# KiCad board MinicalcControlPanel.kicad_pcb
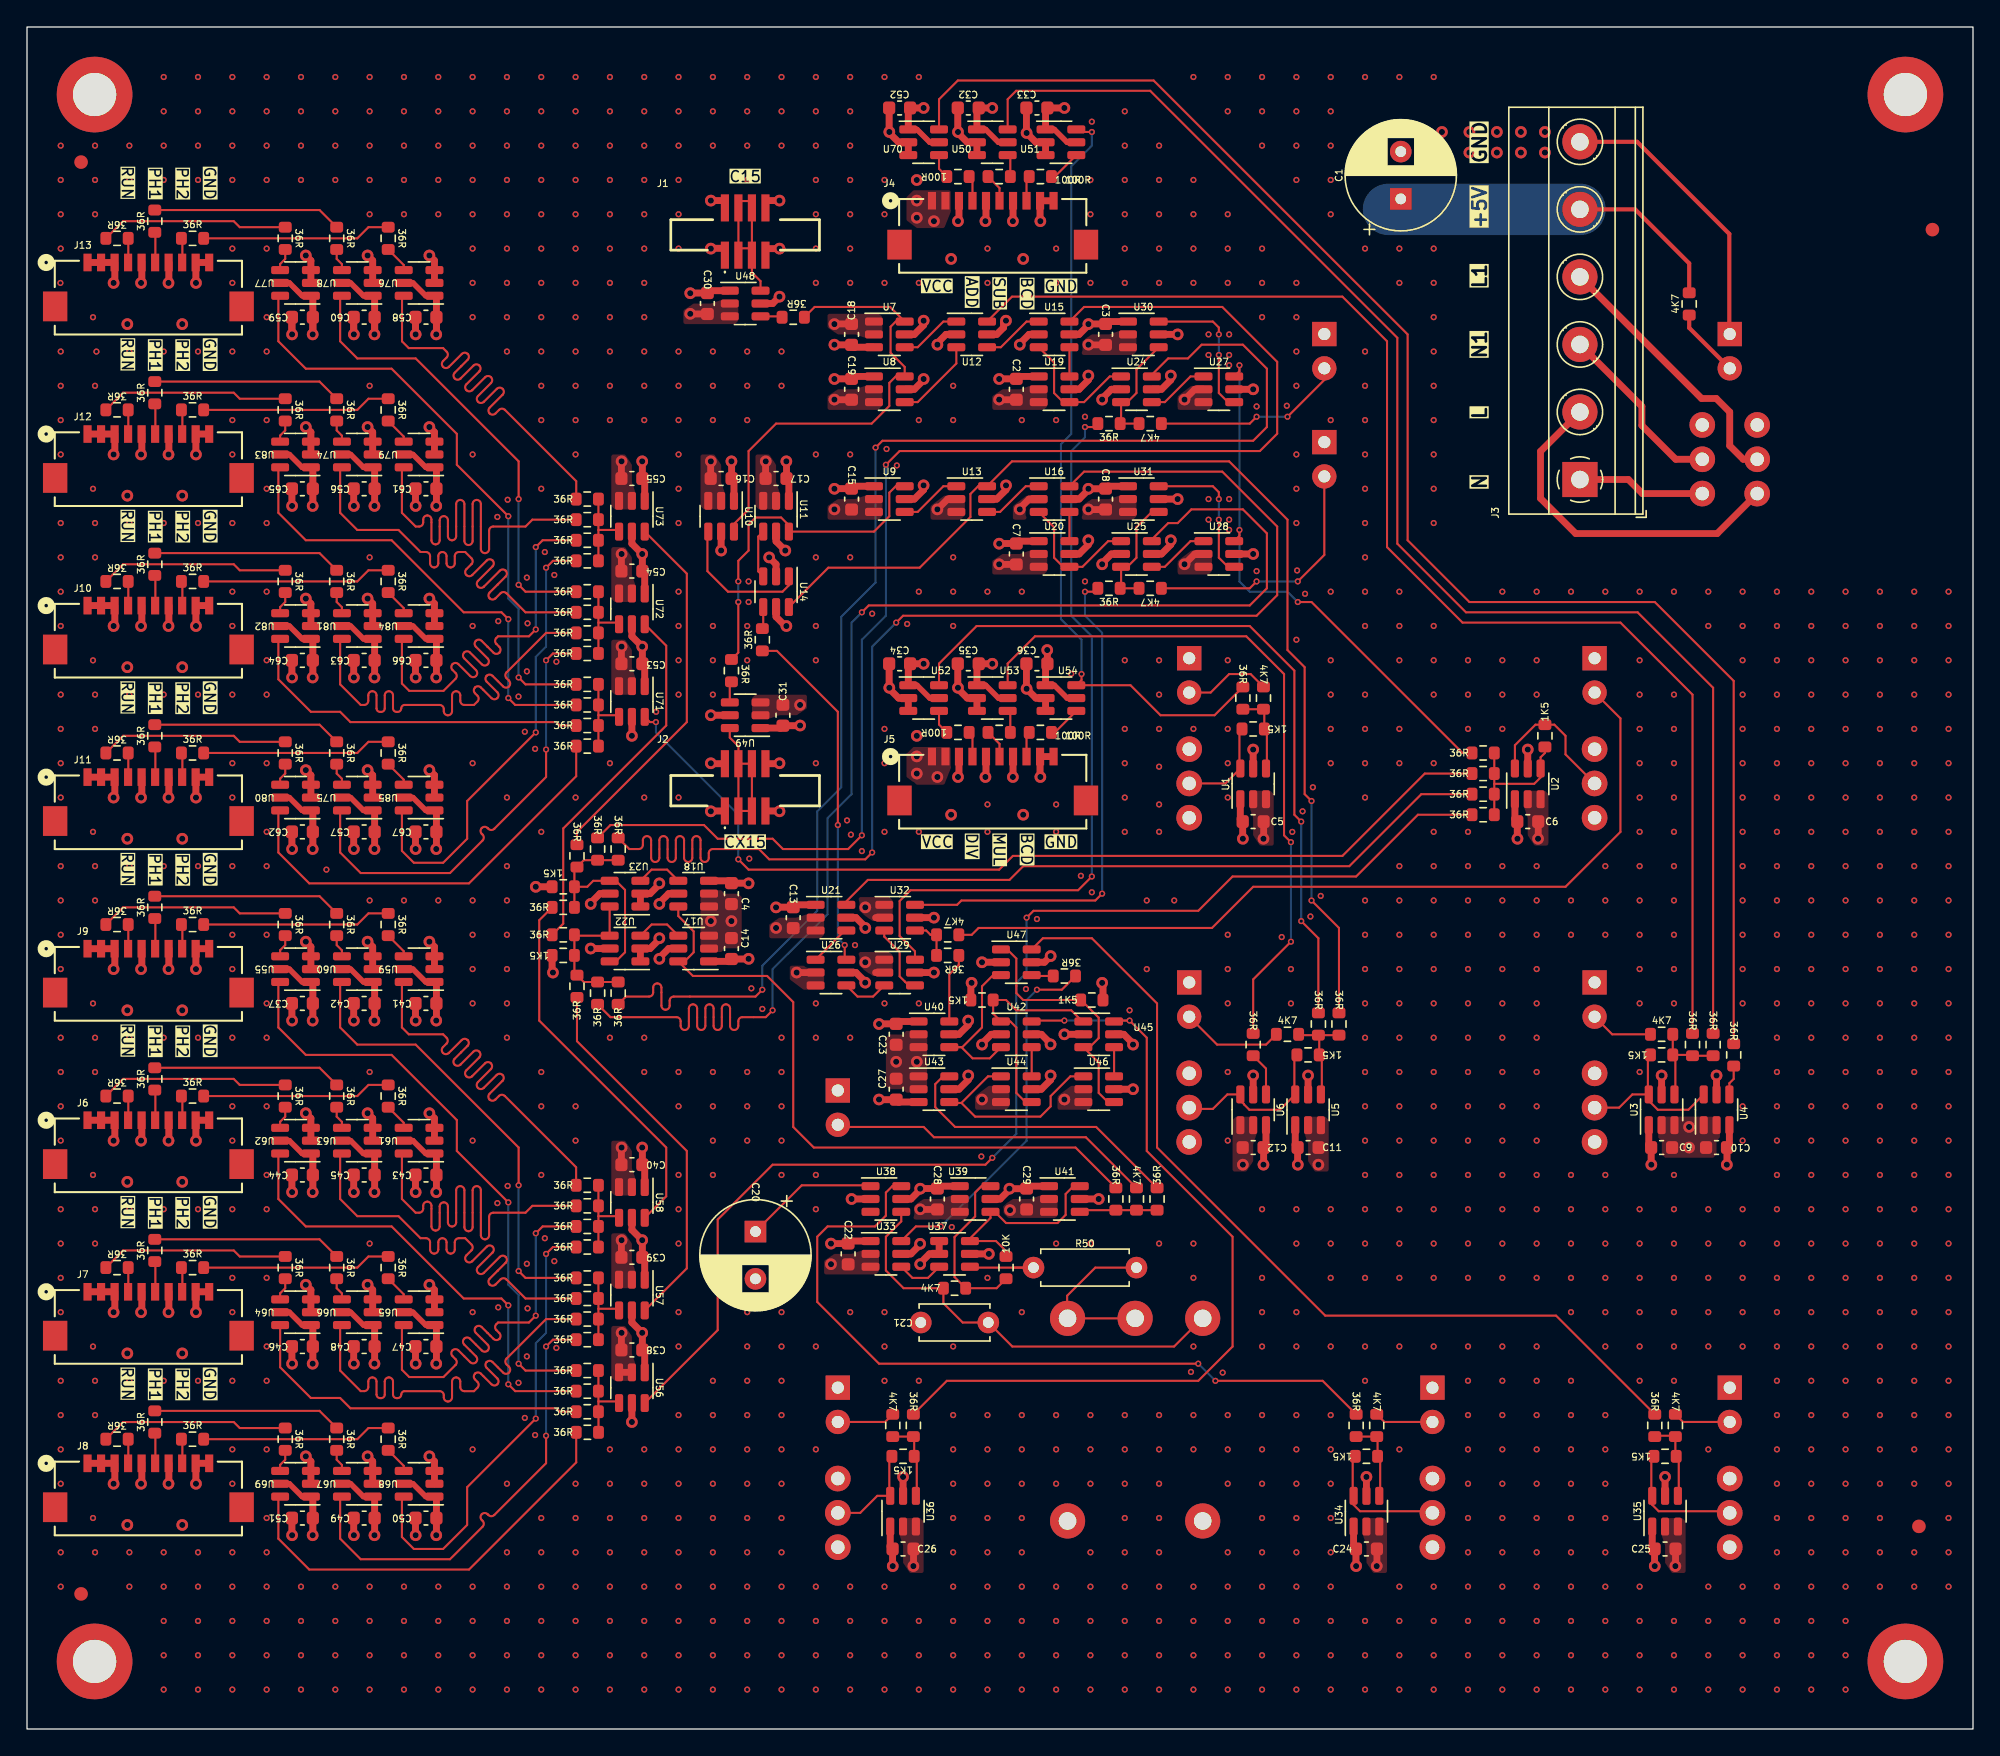
[diagram p0: board, top side]
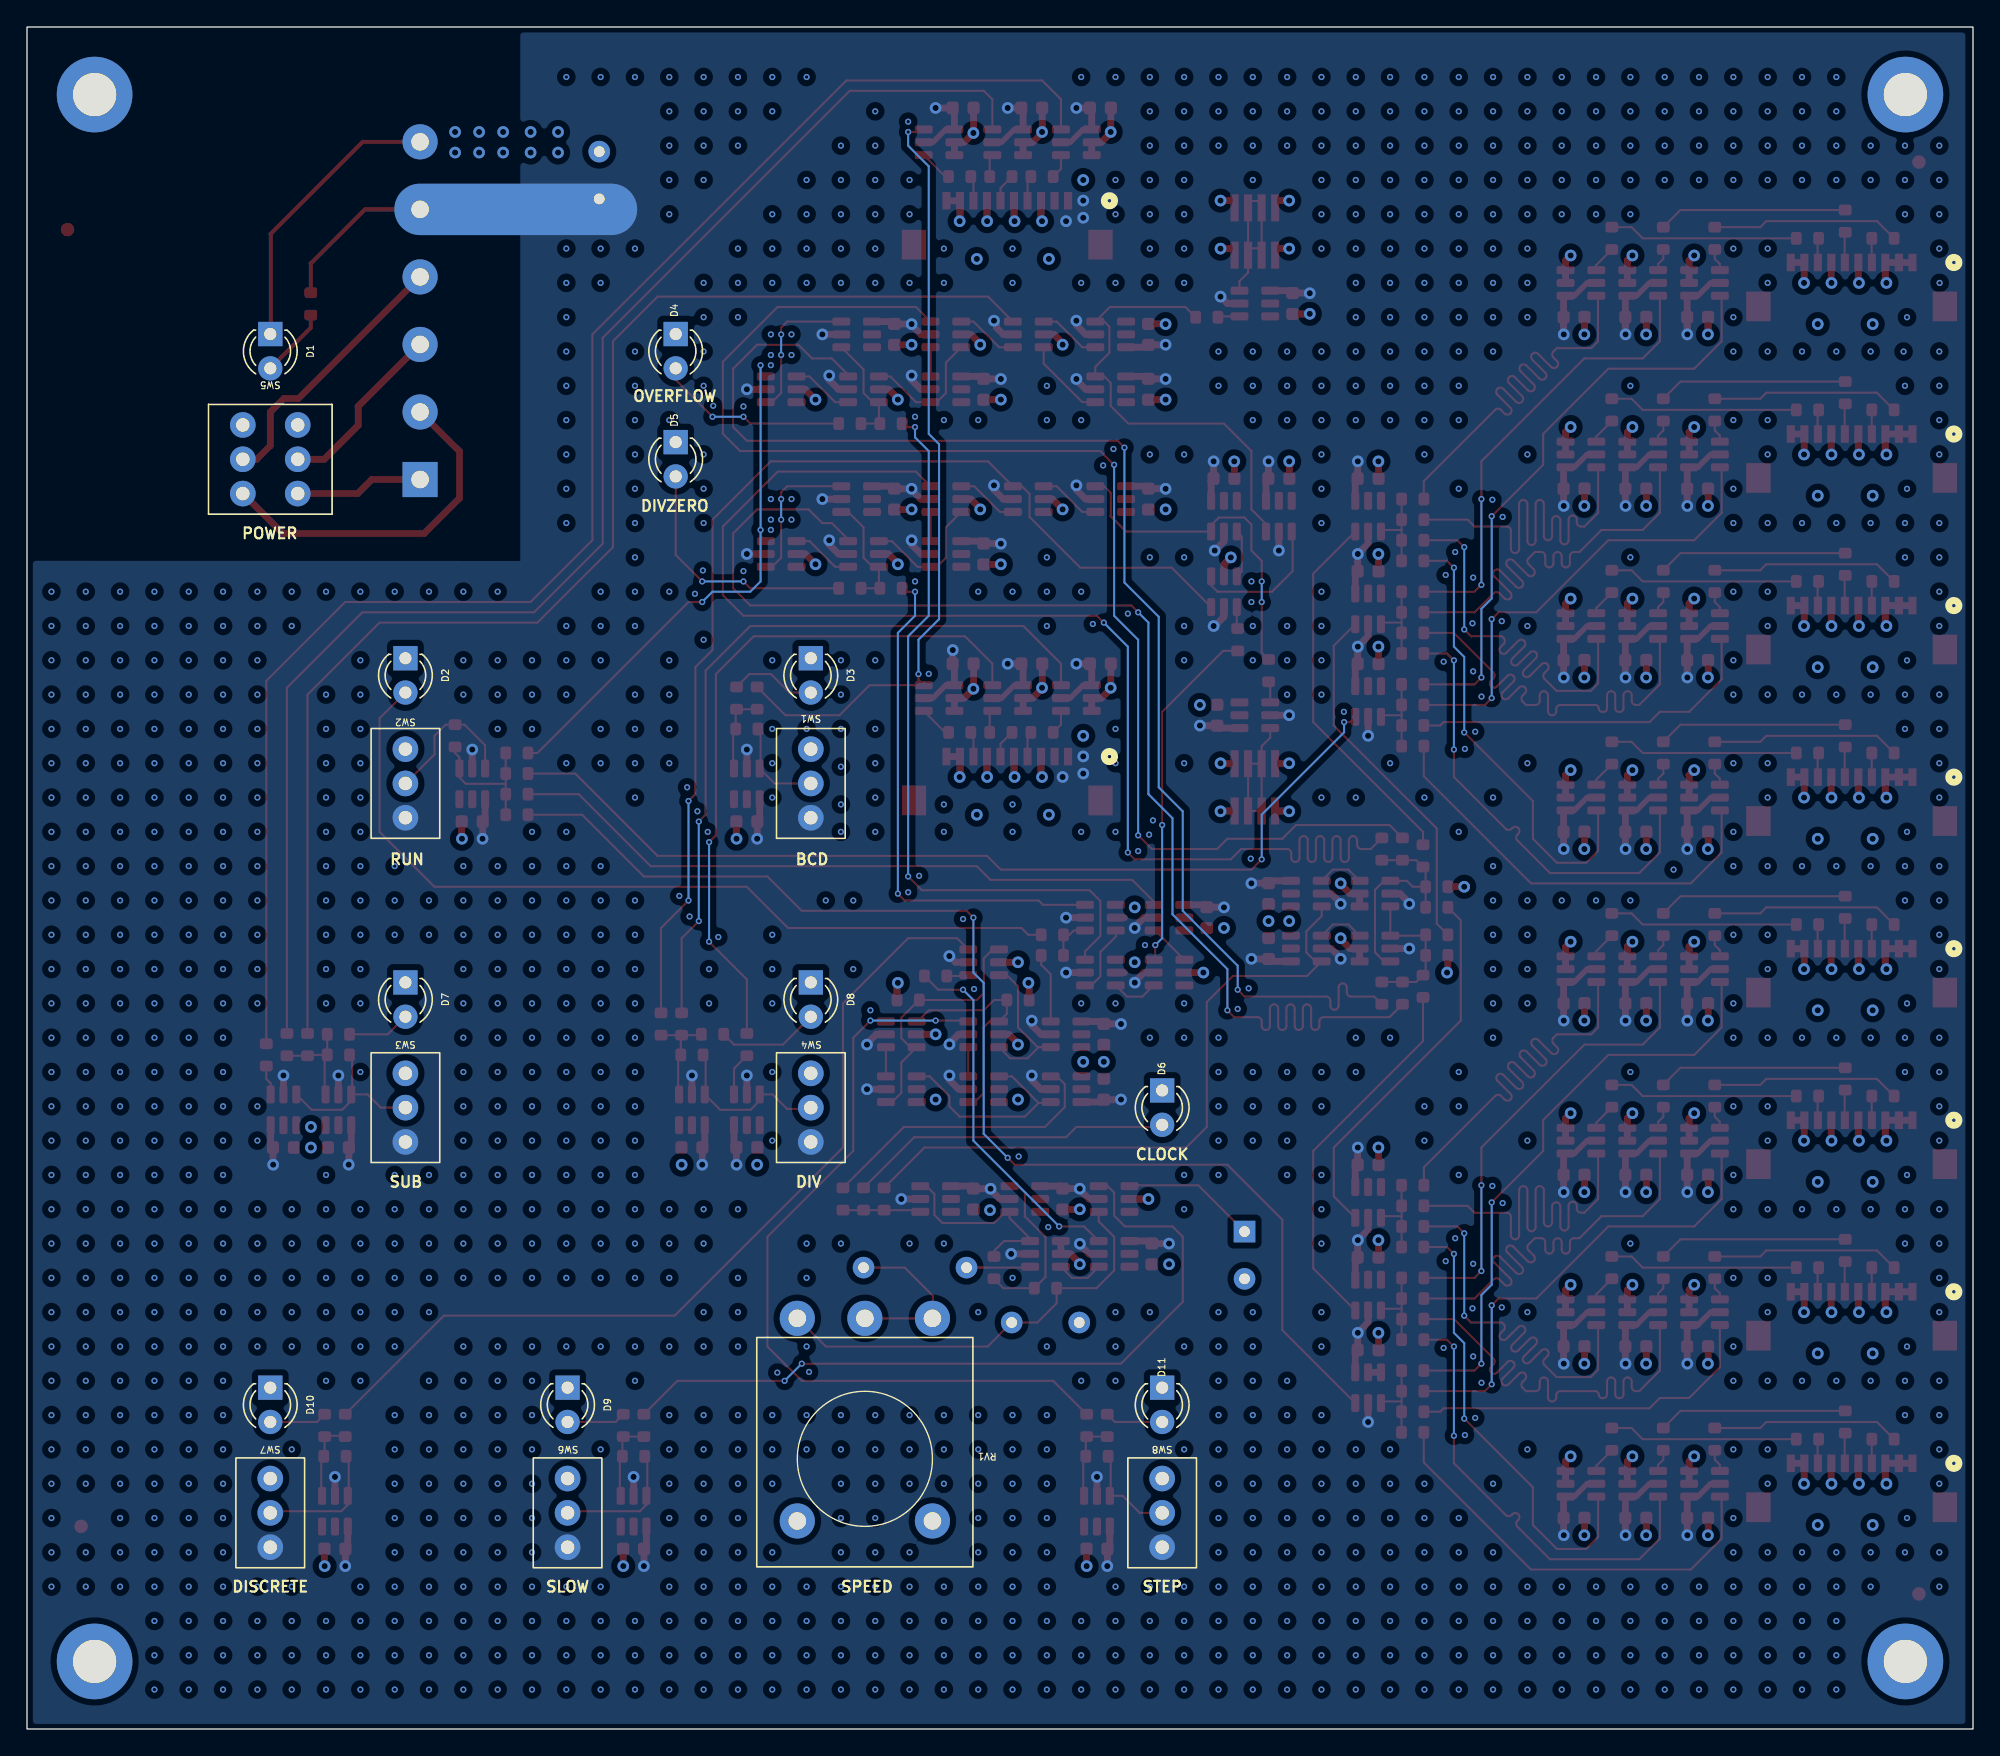
[diagram p1: board, bottom side, seen from below]

Outline 144 x 126 mm; copper layers: Top, GND_2 (plane), GND_3 (plane), Bottom. Coordinates in mm from the lower left corner of the outline.
Outline path: rectangle 0,126 144,0
Stack: Top 0.035mm / dielectric 0.1mm FR4 er 4.5 / GND_2 0.035mm / dielectric 1.24mm FR4 er 4.5 / GND_3 0.035mm / dielectric 0.1mm FR4 er 4.5 / Bottom 0.035mm

## Placement (name value [footprint] x y rotation side)
C1  100uF  [CP_Radial_D8.0mm_P3.50mm]  101.66 113.28 90 top
C2  10n  [C_0603_1608Metric]  73.21 99.18 270 top
C3  10n  [C_0603_1608Metric]  79.81 103.24 270 top
C4  10n  [C_0603_1608Metric]  52.13 61.84 270 top
C5  10n  [C_0603_1608Metric]  90.73 67.18 0 top
C6  10n  [C_0603_1608Metric]  111.05 67.18 0 top
C7  10n  [C_0603_1608Metric]  73.21 86.99 270 top
C8  10n  [C_0603_1608Metric]  79.81 91.05 270 top
C9  10n  [C_0603_1608Metric]  120.96 43.05 0 top
C10  10n  [C_0603_1608Metric]  125.02 43.05 180 top
C11  10n  [C_0603_1608Metric]  94.8 43.05 0 top
C12  10n  [C_0603_1608Metric]  90.73 43.05 180 top
C13  10n  [C_0603_1608Metric]  56.7 60.06 270 top
C14  10n  [C_0603_1608Metric]  52.13 57.78 90 top
C15  10n  [C_0603_1608Metric]  61.02 91.05 270 top
C16  10n  [C_0603_1608Metric]  51.36 92.58 180 top
C17  10n  [C_0603_1608Metric]  55.43 92.58 180 top
C18  10n  [C_0603_1608Metric]  61.02 103.24 90 top
C19  10n  [C_0603_1608Metric]  61.02 99.18 270 top
C20  100uF  [CP_Radial_D8.0mm_P3.50mm]  53.9 36.82 270 top
C21  0.1uF  [C_Disc_D5.0mm_W2.5mm_P5.00mm]  71.14 30.09 180 top
C22  10n  [C_0603_1608Metric]  60.76 35.17 270 top
C23  10n  [C_0603_1608Metric]  64.32 51.43 270 top
C24  10n  [C_0603_1608Metric]  99.12 13.33 0 top
C25  10n  [C_0603_1608Metric]  121.21 13.33 0 top
C26  10n  [C_0603_1608Metric]  64.83 13.33 0 top
C27  10n  [C_0603_1608Metric]  64.32 47.36 90 top
C28  10n  [C_0603_1608Metric]  67.37 39.24 270 top
C29  10n  [C_0603_1608Metric]  73.97 39.24 270 top
C30  10n  [C_0603_1608Metric]  50.35 105.53 270 top
C31  10n  [C_0603_1608Metric]  55.94 75.05 90 top
C32  10n  [C_0603_1608Metric]  69.65 120.01 180 top
C33  10n  [C_0603_1608Metric]  74.73 120.01 180 top
C34  10n  [C_0603_1608Metric]  64.57 78.86 180 top
C35  10n  [C_0603_1608Metric]  69.65 78.86 180 top
C36  10n  [C_0603_1608Metric]  74.73 78.86 180 top
C37  10n  [C_0603_1608Metric]  20.38 53.71 180 top
C38  10n  [C_0603_1608Metric]  44.76 28.06 180 top
C39  10n  [C_0603_1608Metric]  44.76 34.92 180 top
C40  10n  [C_0603_1608Metric]  44.76 41.78 180 top
C41  10n  [C_0603_1608Metric]  29.52 53.71 180 top
C42  10n  [C_0603_1608Metric]  24.95 53.71 180 top
C43  10n  [C_0603_1608Metric]  29.52 41.01 180 top
C44  10n  [C_0603_1608Metric]  20.38 41.01 180 top
C45  10n  [C_0603_1608Metric]  24.95 41.01 180 top
C46  10n  [C_0603_1608Metric]  20.38 28.31 180 top
C47  10n  [C_0603_1608Metric]  29.52 28.31 180 top
C48  10n  [C_0603_1608Metric]  24.95 28.31 180 top
C49  10n  [C_0603_1608Metric]  24.95 15.61 180 top
C50  10n  [C_0603_1608Metric]  29.52 15.61 180 top
C51  10n  [C_0603_1608Metric]  20.38 15.61 180 top
C52  10n  [C_0603_1608Metric]  64.57 120.01 180 top
C53  10n  [C_0603_1608Metric]  44.76 78.86 180 top
C54  10n  [C_0603_1608Metric]  44.76 85.72 180 top
C55  10n  [C_0603_1608Metric]  44.76 92.58 180 top
C56  10n  [C_0603_1608Metric]  24.95 91.81 180 top
C57  10n  [C_0603_1608Metric]  24.95 66.41 180 top
C58  10n  [C_0603_1608Metric]  29.52 104.51 180 top
C59  10n  [C_0603_1608Metric]  20.38 104.51 180 top
C60  10n  [C_0603_1608Metric]  24.95 104.51 180 top
C61  10n  [C_0603_1608Metric]  29.52 91.81 180 top
C62  10n  [C_0603_1608Metric]  20.38 66.41 180 top
C63  10n  [C_0603_1608Metric]  24.95 79.11 180 top
C64  10n  [C_0603_1608Metric]  20.38 79.11 180 top
C65  10n  [C_0603_1608Metric]  20.38 91.81 180 top
C66  10n  [C_0603_1608Metric]  29.52 79.11 180 top
C67  10n  [C_0603_1608Metric]  29.52 66.41 180 top
D1  LED  [LED_D3.0mm_Centrat]  126 102 270 bottom
D2  LED  [LED_D3.0mm_Centrat]  116 78 270 bottom
D3  LED  [LED_D3.0mm_Centrat]  86 78 270 bottom
D4  LED  [LED_D3.0mm_Centrat]  96 102 270 bottom
D5  LED  [LED_D3.0mm_Centrat]  96 94 270 bottom
D6  LED  [LED_D3.0mm_Centrat]  60 46 270 bottom
D7  LED  [LED_D3.0mm_Centrat]  116 54 270 bottom
D8  LED  [LED_D3.0mm_Centrat]  86 54 270 bottom
D9  LED  [LED_D3.0mm_Centrat]  104 24 270 bottom
D10  LED  [LED_D3.0mm_Centrat]  126 24 270 bottom
D11  LED  [LED_D3.0mm_Centrat]  60 24 270 bottom
FID1  Fiducial  [Fiducial_1mm_Mask2mm]  141 111 0 top
FID2  Fiducial  [Fiducial_1mm_Mask2mm]  4 10 0 top
FID3  Fiducial  [Fiducial_1mm_Mask2mm]  4 116 0 top
FID4  Fiducial  [Fiducial_1mm_Mask2mm]  140 15 0 top
H1  MountingHole  [MountingHole_3.2mm_M3_DIN965_Pad]  5 121 0 top
H2  MountingHole  [MountingHole_3.2mm_M3_DIN965_Pad]  139 121 0 top
H3  MountingHole  [MountingHole_3.2mm_M3_DIN965_Pad]  139 5 0 top
H4  MountingHole  [MountingHole_3.2mm_M3_DIN965_Pad]  5 5 0 top
J1  FFC3A20-04-G_meu  [FFC3A2004G_meu]  53.14 110.61 0 top
J2  FFC3A20-04-G_meu  [FFC3A2004G_meu]  53.14 69.46 0 top
J3  Conn_01x06_Socket  [TerminalBlock_Phoenix_MKDS-1,5-6_1x06_P5.00mm_Horizontal]  114.91 92.5 90 top
J4  XF3M1-1015-1B  [CONN_XF3M1-1015-1B_OMR]  71.46 113.14 0 top
J5  XF3M1-1015-1B  [CONN_XF3M1-1015-1B_OMR]  71.46 71.99 0 top
J6  XF3M1-1015-1B  [CONN_XF3M1-1015-1B_OMR]  8.98 45.07 0 top
J7  XF3M1-1015-1B  [CONN_XF3M1-1015-1B_OMR]  8.98 32.37 0 top
J8  XF3M1-1015-1B  [CONN_XF3M1-1015-1B_OMR]  8.98 19.67 0 top
J9  XF3M1-1015-1B  [CONN_XF3M1-1015-1B_OMR]  8.98 57.77 0 top
J10  XF3M1-1015-1B  [CONN_XF3M1-1015-1B_OMR]  8.98 83.17 0 top
J11  XF3M1-1015-1B  [CONN_XF3M1-1015-1B_OMR]  8.98 70.47 0 top
J12  XF3M1-1015-1B  [CONN_XF3M1-1015-1B_OMR]  8.98 95.87 0 top
J13  XF3M1-1015-1B  [CONN_XF3M1-1015-1B_OMR]  8.98 108.57 0 top
R1  1K5  [Meu-R_0603_1608Metric]  90.73 74.03 180 top
R2  1K5  [Meu-R_0603_1608Metric]  112.32 73.53 90 top
R3  1K5  [Meu-R_0603_1608Metric]  120.96 49.9 180 top
R4  1K5  [Meu-R_0603_1608Metric]  94.8 49.9 180 top
R5  36R  [Meu-R_0603_1608Metric]  56.7 104.51 180 top
R6  36R  [Meu-R_0603_1608Metric]  52.13 78.35 270 top
R7  4K7  [Meu-R_0603_1608Metric]  91.5 76.32 270 top
R8  36R  [Meu-R_0603_1608Metric]  89.97 76.32 270 top
R9  36R  [Meu-R_0603_1608Metric]  107.75 72.26 0 top
R10  36R  [Meu-R_0603_1608Metric]  107.75 69.21 0 top
R11  36R  [Meu-R_0603_1608Metric]  107.75 70.73 0 top
R12  36R  [Meu-R_0603_1608Metric]  107.75 67.68 0 top
R13  4K7  [Meu-R_0603_1608Metric]  120.96 51.43 0 top
R14  36R  [Meu-R_0603_1608Metric]  123.25 50.67 270 top
R15  36R  [Meu-R_0603_1608Metric]  124.77 50.67 270 top
R16  36R  [Meu-R_0603_1608Metric]  126.29 49.9 270 top
R17  4K7  [Meu-R_0603_1608Metric]  93.27 51.43 0 top
R18  36R  [Meu-R_0603_1608Metric]  97.08 52.19 270 top
R19  36R  [Meu-R_0603_1608Metric]  95.56 52.19 270 top
R20  36R  [Meu-R_0603_1608Metric]  90.73 50.67 270 top
R21  4K7  [Meu-R_0603_1608Metric]  82.1 39.24 270 top
R22  36R  [Meu-R_0603_1608Metric]  80.57 39.24 270 top
R23  36R  [Meu-R_0603_1608Metric]  54.41 80.64 90 top
R24  1K5  [Meu-R_0603_1608Metric]  39.68 62.35 180 top
R25  1K5  [Meu-R_0603_1608Metric]  39.68 57.27 180 top
R26  36R  [Meu-R_0603_1608Metric]  43.74 54.48 90 top
R27  36R  [Meu-R_0603_1608Metric]  42.22 54.48 90 top
R28  36R  [Meu-R_0603_1608Metric]  39.68 58.79 0 top
R29  36R  [Meu-R_0603_1608Metric]  40.7 54.98 90 top
R30  36R  [Meu-R_0603_1608Metric]  42.22 65.14 270 top
R31  36R  [Meu-R_0603_1608Metric]  43.74 65.14 270 top
R32  36R  [Meu-R_0603_1608Metric]  40.7 64.64 270 top
R33  36R  [Meu-R_0603_1608Metric]  39.68 60.83 0 top
R34  4K7  [Meu-R_0603_1608Metric]  83.11 96.64 180 top
R35  36R  [Meu-R_0603_1608Metric]  80.07 96.64 0 top
R36  4K7  [Meu-R_0603_1608Metric]  83.11 84.45 180 top
R37  36R  [Meu-R_0603_1608Metric]  80.07 84.45 0 top
R38  4K7  [Meu-R_0603_1608Metric]  68.13 58.79 180 top
R39  36R  [Meu-R_0603_1608Metric]  68.13 57.27 180 top
R40  4K7  [Meu-R_0603_1608Metric]  123 105.5 90 top
R41  1K5  [Meu-R_0603_1608Metric]  99.12 20.19 180 top
R42  1K5  [Meu-R_0603_1608Metric]  121.21 20.19 180 top
R43  1K5  [Meu-R_0603_1608Metric]  64.83 20.19 180 top
R44  4K7  [Meu-R_0603_1608Metric]  99.88 22.47 270 top
R45  36R  [Meu-R_0603_1608Metric]  98.35 22.47 270 top
R46  4K7  [Meu-R_0603_1608Metric]  121.98 22.47 270 top
R47  36R  [Meu-R_0603_1608Metric]  120.45 22.47 270 top
R48  4K7  [Meu-R_0603_1608Metric]  64.06 22.47 270 top
R49  36R  [Meu-R_0603_1608Metric]  65.59 22.47 270 top
R50  220  [R_Axial_DIN0207_L6.3mm_D2.5mm_P7.62mm_Horizontal]  74.48 34.16 0 top
R51  4K7  [Meu-R_0603_1608Metric]  68.64 32.63 0 top
R52  10K  [Meu-R_0603_1608Metric]  72.45 34.16 90 top
R53  36R  [Meu-R_0603_1608Metric]  83.62 39.24 90 top
R54  1K5  [Meu-R_0603_1608Metric]  70.67 53.97 180 top
R55  1K5  [Meu-R_0603_1608Metric]  78.8 53.97 0 top
R56  36R  [Meu-R_0603_1608Metric]  76.76 55.75 180 top
R57  100R  [Meu-R_0603_1608Metric]  71.94 114.93 0 top
R58  100R  [Meu-R_0603_1608Metric]  74.99 114.93 0 top
R59  100R  [Meu-R_0603_1608Metric]  68.89 73.78 180 top
R60  100R  [Meu-R_0603_1608Metric]  71.94 73.78 0 top
R61  100R  [Meu-R_0603_1608Metric]  74.99 73.78 0 top
R62  36R  [Meu-R_0603_1608Metric]  19.11 59.56 270 top
R63  36R  [Meu-R_0603_1608Metric]  6.66 59.56 180 top
R64  36R  [Meu-R_0603_1608Metric]  41.46 21.96 0 top
R65  36R  [Meu-R_0603_1608Metric]  41.46 23.49 0 top
R66  36R  [Meu-R_0603_1608Metric]  41.46 25.01 0 top
R67  36R  [Meu-R_0603_1608Metric]  41.46 26.54 0 top
R68  36R  [Meu-R_0603_1608Metric]  41.46 28.82 0 top
R69  36R  [Meu-R_0603_1608Metric]  41.46 30.35 0 top
R70  36R  [Meu-R_0603_1608Metric]  41.46 31.87 0 top
R71  36R  [Meu-R_0603_1608Metric]  41.46 33.39 0 top
R72  36R  [Meu-R_0603_1608Metric]  41.46 35.68 0 top
R73  36R  [Meu-R_0603_1608Metric]  41.46 37.2 0 top
R74  36R  [Meu-R_0603_1608Metric]  41.46 38.73 0 top
R75  36R  [Meu-R_0603_1608Metric]  41.46 40.25 0 top
R76  36R  [Meu-R_0603_1608Metric]  26.73 59.56 270 top
R77  36R  [Meu-R_0603_1608Metric]  12.25 59.56 0 top
R78  36R  [Meu-R_0603_1608Metric]  22.92 59.56 270 top
R79  36R  [Meu-R_0603_1608Metric]  9.45 60.83 90 top
R80  36R  [Meu-R_0603_1608Metric]  26.73 46.86 270 top
R81  36R  [Meu-R_0603_1608Metric]  12.25 46.86 0 top
R82  36R  [Meu-R_0603_1608Metric]  19.11 46.86 270 top
R83  36R  [Meu-R_0603_1608Metric]  6.66 46.86 180 top
R84  36R  [Meu-R_0603_1608Metric]  22.92 46.86 270 top
R85  36R  [Meu-R_0603_1608Metric]  9.45 48.13 90 top
R86  36R  [Meu-R_0603_1608Metric]  19.11 34.16 270 top
R87  36R  [Meu-R_0603_1608Metric]  6.66 34.16 180 top
R88  36R  [Meu-R_0603_1608Metric]  26.73 34.16 270 top
R89  36R  [Meu-R_0603_1608Metric]  12.25 34.16 0 top
R90  36R  [Meu-R_0603_1608Metric]  22.92 34.16 270 top
R91  36R  [Meu-R_0603_1608Metric]  9.45 35.43 90 top
R92  36R  [Meu-R_0603_1608Metric]  22.92 21.46 270 top
R93  36R  [Meu-R_0603_1608Metric]  9.45 22.73 90 top
R94  36R  [Meu-R_0603_1608Metric]  26.73 21.46 270 top
R95  36R  [Meu-R_0603_1608Metric]  12.25 21.46 0 top
R96  36R  [Meu-R_0603_1608Metric]  19.11 21.46 270 top